# Altium PCB 606-100835-r03.pcbdoc (part 3 of 3)
Units mm, origin at the board's own origin, x right, y up, seen from the top; angles counter-clockwise.
Board outline 27 x 28.35 mm, 6 copper layers (Layer 1, Layer 2, Layer 3, Layer 4, Layer 5, Layer 6), stack 1.518 mm thick; 145 components, 197 nets, 755 pads, 438 vias.
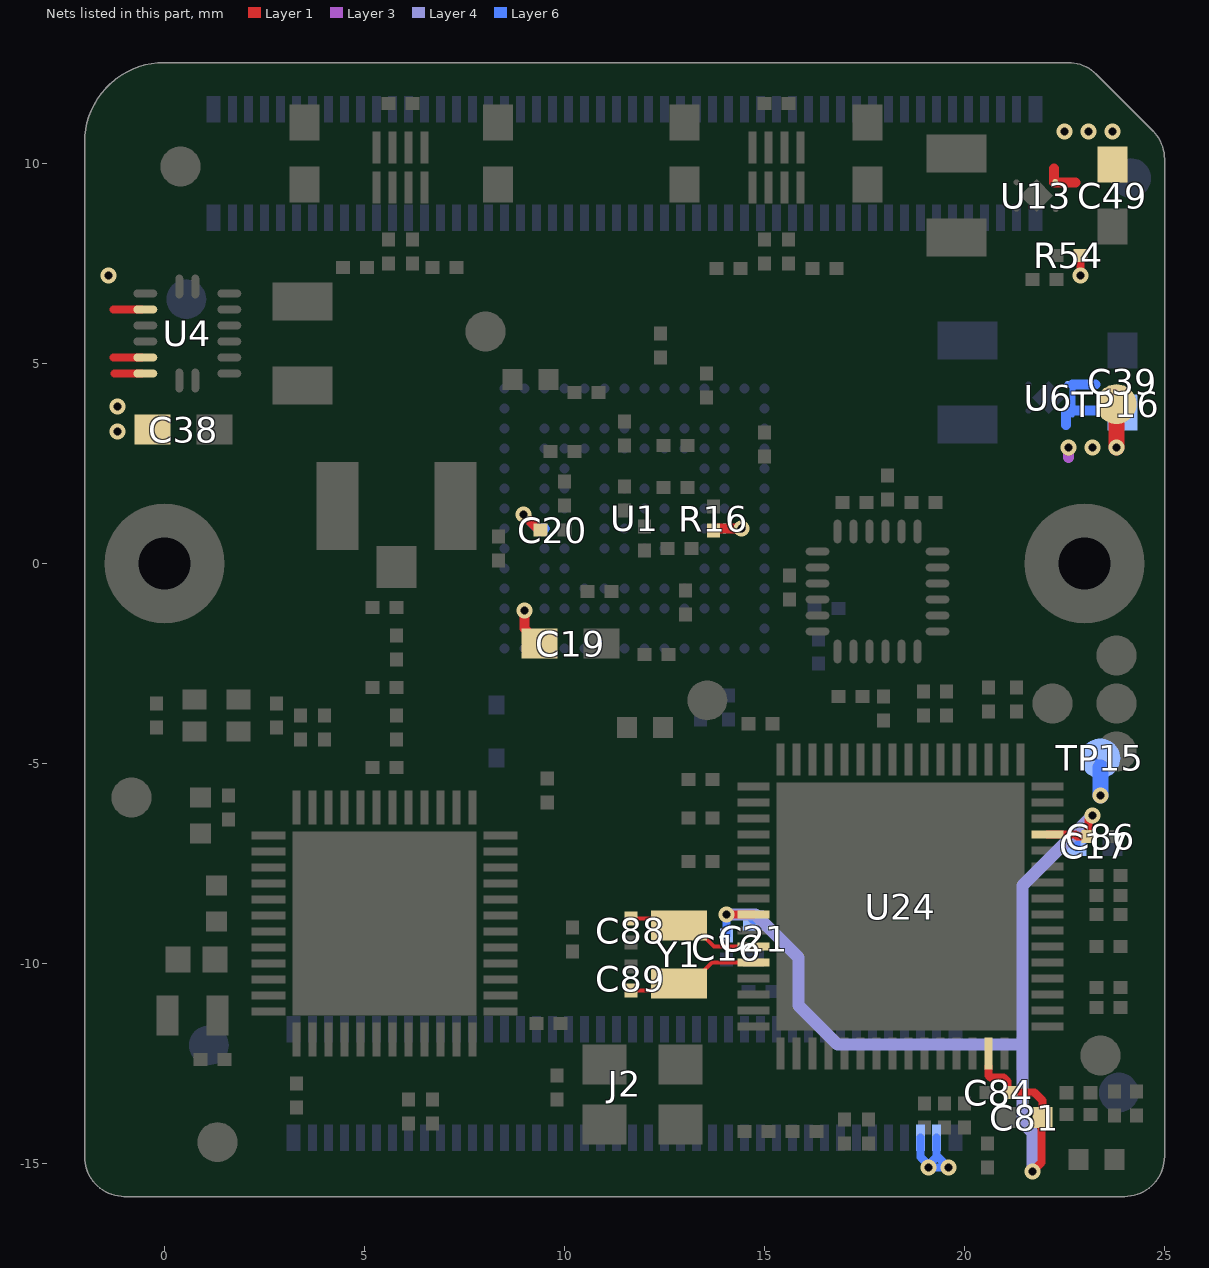
[diagram p7: the nets of this part, all layers, seen from the top]

## Via types
v1: diameter 0.4, hole 0.2, Layer 1 to Layer 6, tented both sides, 358 vias
v2: diameter 0.381, hole 0.279, Layer 4 to Layer 6, tented bottom, 80 vias

## Nets (pads, with @x,y where several pads share a name; then routed paths per layer and width w, separated by ;. In a path a pad name is that pad's centre, name@x,y a point inside that pad or via, vN(x,y) a via of type N, cw(c..) or ccw(c..) an arc to the next point about the centre after c; other vN are vias at no path point) (continued)
VCC_3V6: C38.1 C39.1 C49.1 J2.77 J2.79 R54.1 TP15.1 TP16.1 U4.10 U4.13 U4.14 U6.3 U6.4 U13.4 | length 11.7
  Layer 1 w0.1: TP16.1@23.799,3.985 TP16.1@23.8,3.984
  Layer 1 w0.2: -1.275,5.15 U4.13@-0.575,5.15 ; -1.275,6.35 U4.10@-0.575,6.35 ; -1.25,4.75 U4.14@-0.575,4.75 ; v1(22.9,7.2) R54.1@22.9,7.7
  Layer 1 w0.25: 22.235,9.875 22.235,9.525 22.775,9.525
  Layer 1 w0.4: v1(23.8,2.9) TP16.1@23.8,3.984
  Layer 3 w0.28: 22.6,2.65 v1(22.6,2.9)
  Layer 6 w0.1: U6.4@22.535,3.825 22.7,3.825 22.7,3.7 ; U6.3@22.535,4.475 22.7,4.475 ; TP15.1@23.238,-4.856 23.44,-5.058 TP15.1@23.4,-5.098
  Layer 6 w0.15: 22.7,3.825 22.7,4.475
  Layer 6 w0.2: J2.77@18.9,-14.355 18.9,-14.834 v1@19.1,-15.034 ; J2.79@19.3,-14.355 19.3,-14.8 ; v1@19.1,-15.034 19.3,-14.834 19.3,-14.8 ; v1@19.1,-15.034 v1(19.1,-15.1) v1(19.6,-15.1) 19.3,-14.8
  Layer 6 w0.25: 22.535,3.465 U6.4@22.535,3.825 ; 22.7,3.825 C39.1@23.975,3.825 ; 22.7,4.475 23.275,4.475
  Layer 6 w0.4: v1(23.4,-5.8) TP15.1@23.4,-5.098
  other v1: 23.2,2.9 -1.175,3.3 -1.175,3.925 -1.4,7.2 22.5,10.8 23.1,10.8 23.7,10.8
VCC_PLL: C19.1 C20.1 R16.2 U1.C8 U1.M8 | length 3.4
  Layer 1 w0.25: v1(8.975,1.225) 9.363,0.837 C20.1@9.4,0.837 ; v1(9,-1.175) 9,-1.625 C19.1@9.375,-2 ; R16.2@13.725,0.875 v1(14.425,0.875)
  Layer 6 w0.2: U1.M8@14,0.875 v1(14.425,0.875)
  Layer 6 w0.25: v1(8.975,1.225) 9.325,0.875 U1.C8@9.5,0.875
VDDOUT: C16.1 C17.2 C21.2 C81.1 C84.1 C86.1 U24.9 U24.30 U24.45 | length 27.5
  Layer 1 w0.2: v1(14.05,-8.775) U24.9@14.725,-8.775 ; U24.30@20.6,-12.575 20.6,-12.8 20.65,-12.85 20.975,-12.85 21.075,-12.95 21.075,-13.15 C84.1@21.15,-13.225 21.75,-13.225 21.95,-13.425 C81.1@21.95,-13.85 21.925,-13.875 21.925,-14.975 v1(21.7,-15.2) ; U24.45@22.075,-6.775 22.775,-6.775 22.825,-6.825 C86.1@23.1,-6.825 23.1,-6.4 v1(23.2,-6.3)
  Layer 4 w0.3: v1(14.05,-8.775) 14.775,-8.775 15.85,-9.85 15.85,-11.05 16.825,-12.025 21.45,-12.025 ; v1(21.7,-15.2) 21.7,-14.225 21.45,-13.975 21.45,-12.025 ; v1(23.2,-6.3) 21.45,-8.05 21.45,-12.025
  Layer 6 w0.2: C16.1@14.05,-9.3 v1(14.05,-8.775) 14.575,-8.775 C21.2@14.725,-8.925 ; C17.2@22.8,-7.1 C17.2@22.8,-7.05 22.8,-6.675 23.175,-6.3 v1(23.2,-6.3)
XIN: C88.1 U24.11 Y1.1 | length 3.4
  Layer 1 w0.1: C88.1@11.659,-8.875 12.684,-8.875 Y1.1@12.859,-9.05 13.209,-9.05 13.734,-9.575 U24.11@14.725,-9.575
XOUT: C89.1 U24.12 Y1.2 | length 3.4
  Layer 1 w0.1: C89.1@11.659,-10.675 12.684,-10.675 Y1.2@12.859,-10.5 13.159,-10.5 13.684,-9.975 U24.12@14.725,-9.975
pads on no net: U1.A13 U1.H3 U1.J11 U1.K11 U1.M12 U1.M14 U4.1 U4.4 U4.15 U4.16 U23.1 U23.2 U23.3 U23.4 U23.5 U23.6 U23.7 U23.14 U23.15 U23.16 U23.17 U23.19 U23.21 U25.10 U25.18 U25.19 U25.27 U25.28 U25.29 U25.37 U25.38 U25.39 U25.40 U25.41 U25.42 U25.43 U25.44

## Polygon pours and split planes (outlines as drawn)
no net on FAB_DWG (solid): 17.95,277.4 17.95,279 11.925,279 11.925,277.4
no net on FAB_DWG (solid): 18.048,286.528 17.548,288.028 -13.452,288.028 -13.952,286.528 18.048,286.528
no net on FAB_DWG (solid): -13.673,268.247 -13.173,266.747 17.827,266.747 18.327,268.247 -13.673,268.247
no net on FAB_DWG (solid): -13.811,303.588 -13.311,302.088 17.889,302.088 18.389,303.588 -13.811,303.588
no net on FAB_DWG (solid): -14.694,324.252 -14.194,325.752 18.324,325.752 18.824,324.252
no net on FAB_DWG (solid): -10.978,261.558 ccw(c-11.478,261.558) -11.478,262.058 ccw(c-11.478,261.558) -11.978,261.558 ccw(c-11.478,261.558) -11.478,261.058 ccw(c-11.478,261.558) -10.978,261.558
no net on FAB_DWG (solid): -11.171,331.178 ccw(c-11.671,331.178) -11.671,331.678 ccw(c-11.671,331.178) -12.171,331.178 ccw(c-11.671,331.178) -11.671,330.678 ccw(c-11.671,331.178) -11.171,331.178
no net on FAB_DWG (solid): -4.978,261.558 ccw(c-5.478,261.558) -5.478,262.058 ccw(c-5.478,261.558) -5.978,261.558 ccw(c-5.478,261.558) -5.478,261.058 ccw(c-5.478,261.558) -4.978,261.558
no net on FAB_DWG (solid): -2.978,261.558 ccw(c-3.478,261.558) -3.478,262.058 ccw(c-3.478,261.558) -3.978,261.558 ccw(c-3.478,261.558) -3.478,261.058 ccw(c-3.478,261.558) -2.978,261.558
no net on FAB_DWG (solid): -8.978,261.558 ccw(c-9.478,261.558) -9.478,262.058 ccw(c-9.478,261.558) -9.978,261.558 ccw(c-9.478,261.558) -9.478,261.058 ccw(c-9.478,261.558) -8.978,261.558
no net on FAB_DWG (solid): -6.978,261.558 ccw(c-7.478,261.558) -7.478,262.058 ccw(c-7.478,261.558) -7.978,261.558 ccw(c-7.478,261.558) -7.478,261.058 ccw(c-7.478,261.558) -6.978,261.558
no net on FAB_DWG (solid): -3.171,331.178 ccw(c-3.671,331.178) -3.671,331.678 ccw(c-3.671,331.178) -4.171,331.178 ccw(c-3.671,331.178) -3.671,330.678 ccw(c-3.671,331.178) -3.171,331.178
no net on FAB_DWG (solid): -5.171,331.178 ccw(c-5.671,331.178) -5.671,331.678 ccw(c-5.671,331.178) -6.171,331.178 ccw(c-5.671,331.178) -5.671,330.678 ccw(c-5.671,331.178) -5.171,331.178
no net on FAB_DWG (solid): -9.171,331.178 ccw(c-9.671,331.178) -9.671,331.678 ccw(c-9.671,331.178) -10.171,331.178 ccw(c-9.671,331.178) -9.671,330.678 ccw(c-9.671,331.178) -9.171,331.178
no net on FAB_DWG (solid): -7.171,331.178 ccw(c-7.671,331.178) -7.671,331.678 ccw(c-7.671,331.178) -8.171,331.178 ccw(c-7.671,331.178) -7.671,330.678 ccw(c-7.671,331.178) -7.171,331.178
no net on FAB_DWG (solid): 5.022,261.558 ccw(c4.522,261.558) 4.522,262.058 ccw(c4.522,261.558) 4.022,261.558 ccw(c4.522,261.558) 4.522,261.058 ccw(c4.522,261.558) 5.022,261.558
no net on FAB_DWG (solid): 3.022,261.558 ccw(c2.522,261.558) 2.522,262.058 ccw(c2.522,261.558) 2.022,261.558 ccw(c2.522,261.558) 2.522,261.058 ccw(c2.522,261.558) 3.022,261.558
no net on FAB_DWG (solid): -0.978,261.558 ccw(c-1.478,261.558) -1.478,262.058 ccw(c-1.478,261.558) -1.978,261.558 ccw(c-1.478,261.558) -1.478,261.058 ccw(c-1.478,261.558) -0.978,261.558
no net on FAB_DWG (solid): 1.022,261.558 ccw(c0.522,261.558) 0.522,262.058 ccw(c0.522,261.558) 0.022,261.558 ccw(c0.522,261.558) 0.522,261.058 ccw(c0.522,261.558) 1.022,261.558
no net on FAB_DWG (solid): 4.829,331.178 ccw(c4.329,331.178) 4.329,331.678 ccw(c4.329,331.178) 3.829,331.178 ccw(c4.329,331.178) 4.329,330.678 ccw(c4.329,331.178) 4.829,331.178
no net on FAB_DWG (solid): 2.829,331.178 ccw(c2.329,331.178) 2.329,331.678 ccw(c2.329,331.178) 1.829,331.178 ccw(c2.329,331.178) 2.329,330.678 ccw(c2.329,331.178) 2.829,331.178
no net on FAB_DWG (solid): -1.171,331.178 ccw(c-1.671,331.178) -1.671,331.678 ccw(c-1.671,331.178) -2.171,331.178 ccw(c-1.671,331.178) -1.671,330.678 ccw(c-1.671,331.178) -1.171,331.178
no net on FAB_DWG (solid): 0.829,331.178 ccw(c0.329,331.178) 0.329,331.678 ccw(c0.329,331.178) -0.171,331.178 ccw(c0.329,331.178) 0.329,330.678 ccw(c0.329,331.178) 0.829,331.178
no net on FAB_DWG (solid): 11.022,261.558 ccw(c10.522,261.558) 10.522,262.058 ccw(c10.522,261.558) 10.022,261.558 ccw(c10.522,261.558) 10.522,261.058 ccw(c10.522,261.558) 11.022,261.558
no net on FAB_DWG (solid): 9.022,261.558 ccw(c8.522,261.558) 8.522,262.058 ccw(c8.522,261.558) 8.022,261.558 ccw(c8.522,261.558) 8.522,261.058 ccw(c8.522,261.558) 9.022,261.558
no net on FAB_DWG (solid): 13.022,261.558 ccw(c12.522,261.558) 12.522,262.058 ccw(c12.522,261.558) 12.022,261.558 ccw(c12.522,261.558) 12.522,261.058 ccw(c12.522,261.558) 13.022,261.558
no net on FAB_DWG (solid): 7.022,261.558 ccw(c6.522,261.558) 6.522,262.058 ccw(c6.522,261.558) 6.022,261.558 ccw(c6.522,261.558) 6.522,261.058 ccw(c6.522,261.558) 7.022,261.558
no net on FAB_DWG (solid): 10.829,331.178 ccw(c10.329,331.178) 10.329,331.678 ccw(c10.329,331.178) 9.829,331.178 ccw(c10.329,331.178) 10.329,330.678 ccw(c10.329,331.178) 10.829,331.178
no net on FAB_DWG (solid): 8.829,331.178 ccw(c8.329,331.178) 8.329,331.678 ccw(c8.329,331.178) 7.829,331.178 ccw(c8.329,331.178) 8.329,330.678 ccw(c8.329,331.178) 8.829,331.178
no net on FAB_DWG (solid): 12.829,331.178 ccw(c12.329,331.178) 12.329,331.678 ccw(c12.329,331.178) 11.829,331.178 ccw(c12.329,331.178) 12.329,330.678 ccw(c12.329,331.178) 12.829,331.178
no net on FAB_DWG (solid): 6.829,331.178 ccw(c6.329,331.178) 6.329,331.678 ccw(c6.329,331.178) 5.829,331.178 ccw(c6.329,331.178) 6.329,330.678 ccw(c6.329,331.178) 6.829,331.178
no net on FAB_DWG (solid): 17.022,261.558 ccw(c16.522,261.558) 16.522,262.058 ccw(c16.522,261.558) 16.022,261.558 ccw(c16.522,261.558) 16.522,261.058 ccw(c16.522,261.558) 17.022,261.558
no net on FAB_DWG (solid): 15.022,261.558 ccw(c14.522,261.558) 14.522,262.058 ccw(c14.522,261.558) 14.022,261.558 ccw(c14.522,261.558) 14.522,261.058 ccw(c14.522,261.558) 15.022,261.558
no net on FAB_DWG (solid): 16.829,331.178 ccw(c16.329,331.178) 16.329,331.678 ccw(c16.329,331.178) 15.829,331.178 ccw(c16.329,331.178) 16.329,330.678 ccw(c16.329,331.178) 16.829,331.178
no net on FAB_DWG (solid): 14.829,331.178 ccw(c14.329,331.178) 14.329,331.678 ccw(c14.329,331.178) 13.829,331.178 ccw(c14.329,331.178) 14.329,330.678 ccw(c14.329,331.178) 14.829,331.178
no net on FAB_DWG (solid): 18.361,310.587 17.861,312.087 -13.339,312.087 -13.839,310.587 18.361,310.587
no net on FAB_DWG (solid): 1029 vertices, not listed, extent 369.396,-60.519 510.442,-46.945
no net on FAB_DWG (solid): 89 vertices, not listed, extent 409.616,-50.711 416.035,-46.947
no net on FAB_DWG (solid): 74 vertices, not listed, extent 421.286,-53.682 428.678,-46.947
no net on FAB_DWG (solid): 83 vertices, not listed, extent 435.068,-52.447 439.973,-47.859
no net on FAB_DWG (solid): 82 vertices, not listed, extent 446.68,-51.092 453.025,-47.864
no net on FAB_DWG (solid, pour order 2): 7.95,277.4 7.95,279 -14,279 -14,277.4
no net on ASY_DWG (solid): 1029 vertices, not listed, extent 369.396,-60.519 510.442,-46.945
no net on ASY_DWG (solid): 89 vertices, not listed, extent 409.616,-50.711 416.035,-46.947
no net on ASY_DWG (solid): 74 vertices, not listed, extent 421.286,-53.682 428.678,-46.947
no net on ASY_DWG (solid): 83 vertices, not listed, extent 435.068,-52.447 439.973,-47.859
no net on ASY_DWG (solid): 82 vertices, not listed, extent 446.68,-51.092 453.025,-47.864
no net on ASY_DWG_R (solid): 1029 vertices, not listed, extent -260.544,-60.477 -119.498,-46.903
no net on ASY_DWG_R (solid): 89 vertices, not listed, extent -166.137,-50.669 -159.717,-46.905
no net on ASY_DWG_R (solid): 74 vertices, not listed, extent -178.78,-53.64 -171.387,-46.905
no net on ASY_DWG_R (solid): 83 vertices, not listed, extent -190.074,-52.405 -185.169,-47.817
no net on ASY_DWG_R (solid): 82 vertices, not listed, extent -203.127,-51.05 -196.782,-47.822
no net on TITLEBLOCK (solid): 331 vertices, not listed, extent -11.699,-33.273 47.006,-26.653
no net on TITLEBLOCK (solid): 10.238,-26.873 12.776,-29.191 12.776,-26.873 10.238,-26.873
no net on TITLEBLOCK (solid): 5.051,-26.873 6.174,-28.082 7.253,-26.873 5.051,-26.873
no net on TITLEBLOCK (solid): 15.536,-28.773 16.526,-26.973 17.426,-28.773 15.536,-28.773
no net on TITLEBLOCK (solid): 26 vertices, not listed, extent 20.376,-28.173 23.076,-26.873
GND on Layer 5 "GND" (solid, remove dead copper, pour order 2): -2.876,13.977 -2.876,-16.773 26.174,-16.773 26.174,11.527 23.724,13.977
GND on Layer 1 "GND_L01_P086" (solid, remove dead copper, pour order 86): 24.7,7.3 24.7,8.725 24.525,8.9 23.175,8.9 23,8.725 23,7.35 23.25,7.1 24.5,7.1
GND on Layer 1 "GND_L01_P080" (solid, remove dead copper, pour order 80): 18.6,10 18.4,10.2 17.3,10.2 17.1,10 17.1,9.1 17.1,8.4 16.675,7.975 16.675,7.1 18.265,7.1 18.6,7.435
VCC_3V3_SENSORS on Layer 1 "VCC_3V3_SENSORS_L01_P076" (solid, remove dead copper, pour order 76): 15.705,9.7 15.805,9.8 17,9.8 17,8.7 16.95,8.65 15.855,8.65 15.705,8.8
SENSOR_VCC4 on Layer 1 "SENSOR_VCC4_L01_P074" (solid, remove dead copper, pour order 74): 15.714,10.8 15.714,12.2 15.799,12.285 20.215,12.285 20.3,12.2 20.3,11.4 19.5,10.6 18,10.6 16.825,10.6 16.6,10.6 16.4,10.4 16.4,10.1 15.714,10.1
VCC_3V3_SENSORS on Layer 1 "VCC_3V3_SENSORS_L01_P072" (solid, remove dead copper, pour order 72): 13.557,9.657 13.7,9.8 15,9.8 15,8.8 14.85,8.65 13.75,8.65 13.557,8.843
GND on Layer 1 "GND_L01_P070" (solid, remove dead copper, pour order 70): 13.15,8.575 11.725,8.575 11.384,8.916 11.384,10.025 11.484,10.125 13.392,10.125 13.392,8.817
VCC_3V3_SENSORS on Layer 1 "VCC_3V3_SENSORS_L01_P066" (solid, remove dead copper, pour order 66): 6.305,9.7 6.405,9.8 7.6,9.8 7.7,9.7 7.7,8.8 7.6,8.7 6.405,8.7 6.305,8.8
GND on Layer 1 "GND_L01_P064" (solid, remove dead copper, pour order 64): 9.693,8.575 7.992,8.575 7.792,8.775 7.792,10 7.892,10.1 9.8,10.1 9.9,10 9.9,8.782
GND on Layer 1 "GND_L01_P060" (solid, remove dead copper, pour order 60): 2.606,10.321 3.206,10.321 3.731,10.321 4.131,9.921 4.131,9.146 3.631,8.646 2.681,8.646 2.506,8.821 2.506,10.221
GND on Layer 1 "GND_L01_P008" (solid, pour order 8): 7.75,-4.225 7.325,-4.6 7.325,-5.575 5.4,-5.575 5.4,-4.775 4.4,-4.775 4.4,-3.975 3.175,-3.975 3.175,2.55 7.7,2.55
VCC_3V6 on Layer 1 "u4_3v6_notherm" (solid, remove dead copper, pour order 14): -1.75,7.6 -1.75,3.05 -1.425,2.725 0.075,2.725 0.175,2.825 0.175,4.05 -0.025,4.25 -1,4.25 -1,7.6
GND on Layer 1 "u4_gnd_notherm" (solid, remove dead copper, pour order 16): 0.9,2.75 2.975,2.75 4.2,3.975 4.2,5.25 2.087,5.25 1.4,5.25 1.4,5.05 2.087,5.05 2.087,4.362 1.975,4.25 0.975,4.25 0.775,4.05 0.775,2.875
VCC_1V2 on Layer 1 "u4_1v2_notherm" (solid, remove dead copper, pour order 18): 19 vertices, not listed, extent 0.3,5.8 4.2,8.15
VCC_3V6 on Layer 1 "u13_3v6" (solid, remove dead copper, pour order 20): 22.1,9.8 22.725,9.8 22.725,9.2 24.425,9.2 24.525,9.3 24.525,10.6 24.025,11.1 22.425,11.1 22.1,10.775
VCC_3V3_SENSORS on Layer 1 "u13_3v6" (solid, remove dead copper, pour order 22): 21,9.4 21,9.8 21.775,9.8 21.775,10.951 21.579,11.146 18.975,11.146 18.7,10.871 18.7,9.5 18.8,9.4
GND on Layer 1 "u13_gnd" (solid, remove dead copper, pour order 24): 21.8,8.6 21.1,8.6 21,8.6 21,9.1 18.9,9.1 18.8,9 18.8,7 18.85,6.95 21.75,6.95 21.845,7.045 21.845,7.535 21.875,7.535 21.875,8.525
VCC_3V3_SENSORS on Layer 1 "VCC_3V3_SENSORS_L01_P042" (solid, remove dead copper, pour order 42): 4.157,9.657 4.3,9.8 5.6,9.8 5.6,8.8 5.5,8.7 4.3,8.7 4.157,8.843
SENSOR_VCC3 on Layer 1 "SENSOR_VCC3_L01_P052" (solid, remove dead copper, pour order 52): 14.6,12.3 14.795,12.105 14.795,10 14,10 13.7,10.2 13.7,10.7 11.3,10.7 11.2,10.8 11.2,12.2 11.3,12.3
SENSOR_VCC2 on Layer 1 "SENSOR_VCC2_L01_P056" (solid, remove dead copper, pour order 56): 6.3,12.086 6.499,12.285 10.19,12.285 10.385,12.09 10.385,10.785 10.2,10.6 8.7,10.6 7.525,10.6 7.3,10.6 7.1,10.4 7.1,10 6.3,10
SENSOR_VCC1 on Layer 1 "SENSOR_VCC1_L01_P058" (solid, remove dead copper, pour order 58): 1.65,10.775 1.65,12.1 1.835,12.285 2.185,12.285 5.415,12.285 5.5,12.2 5.5,10.1 4.9,10.1 4.4,10.6 1.825,10.6
GND on Layer 1 "GND_L01_P128" (solid, pour order 128): 24 vertices, not listed, extent 8.675,-3.15 15.4,5.975
GND on Layer 6 "GND1" (solid, remove dead copper, pour order 10): 19,4.3 19,6.7 19.1,6.8 24.3,6.8 24.4,6.7 24.425,4.8 21.3,4.8 21.3,4.3
VCC_3V3_CORE on Layer 6 "VCC3-6" (solid, remove dead copper, pour order 32): 19,4 21.3,4 21.3,3.6 22,3.6 22,2.5 21.9,2.4 19,2.4
VCC_3V6 on Layer 6 "VCC3-6" (solid, remove dead copper, pour order 12): 24.475,4.6 24.475,2.8 24.3,2.625 22.3,2.624 22.3,3.5 22.9,3.5 22.9,4.7 24.375,4.7
VCC_3V3_SENSORS on Layer 3 "Bottom Overlay-No Net" (solid, pour order 126): 21.925,8.75 21.925,13.025 -2.5,13.025 -2.5,8.75 21.375,8.75
VCC_3V6 on Layer 3 "3V6_Polygon" (solid, pour order 94): 20.95,6.2 22.05,6.2 22.05,13.025 23.2,13.025 25.5,10.725 25.5,-16.325 16.675,-16.325 16.675,-12.65 20.95,-12.65
GND on Layer 3 "thievingL2" (solid, pour order 122): -0.75,2.25 -2.525,2.25 -2.525,-16.3 22.1,-16.3 22.1,2.275 22.1,8.85 -0.75,8.85
VCC_PLL on Layer 3 "VCC_PLL_L03_P088" (solid, remove dead copper, pour order 88): 8.5,1.6 9.3,1.6 10,0.9 10,0 10.6,-0.6 13.2,-0.6 13.4,-0.4 13.4,0.8 13.8,1.2 14.4,1.2 15.125,1.2 15.125,-1.475 8.5,-1.475
VCC_1V2 on Layer 3 "VCC_1V2_L03_P090" (solid, remove dead copper, pour order 90): 24 vertices, not listed, extent -0.85,-0.5 15.9,8.8
VCC_3V6 on Layer 3 "3V6_BUCK_INPUT" (solid, pour order 130): -2.5,8.75 -0.65,8.75 -0.65,2.25 -2.5,2.25
GND on Layer 3 "GND_CORNER" (solid, pour order 92): 25.525,-13.925 22.75,-13.925 22.525,-13.925 22.525,-16.325 25.525,-16.325 25.5,-16.3 25.5,-13.925
GND on Layer 4 "thievingL5" (solid, pour order 124): -2.5,13.025 -2.5,-16.325 25.525,-16.325 25.525,10.7 23.2,13.025
VCC_3V6 on Layer 2 (split plane): 47 vertices, not listed, extent -1.498,2.404 24.499,12.023
GND on Layer 2 (split plane): 18 vertices, not listed, extent -1.498,-5.171 4.371,7.746
VCC_3V3_SENSORS on Layer 2 (split plane): 24 vertices, not listed, extent -1.499,9.129 21.821,12.024
VCC_3V3_CORE on Layer 2 (split plane): 61 vertices, not listed, extent -1.499,-15.324 24.499,7.746

## Keep-outs
Layer 6:
  circle w0.254: c23,0 r2.305
  circle w0.254: c0,0 r2.305

## Other copper
Layer 1:
  text ".Layer_Name" at 19.375,-51.6 h2.54
Layer 3:
  text ".Layer_Name" at 18,-51.35 h2.54
Layer 5:
  text ".Layer_Name" at 18,-51.4 h2.54
Layer 4:
  text ".Layer_Name" at 18.2,-51.7 h2.54
Layer 6:
  text "'.Board_Number'-R'.PCB_Revision'" at -0.9,-14.725 h0.7 r270
  text ".Layer_Name" at 17.75,-51.6 h2.54
Layer 2 (plane layer: these items are gaps in the copper):
  lines w0.254: -2.025,2.275 -1.15,2.275 ; -2,-3.3 -2,-5.3 3.7,-5.3 4.5,-4.5 4.5,7.85 ; -1.8,8.7 -1.5,9 21.95,9 21.95,12.25 22.25,12.55 22.35,12.55 ; -1.225,2.275 -1.125,2.275 -0.8,2.6 -0.8,7.3 -0.225,7.875 16.725,7.875 18.1,6.5 21.4,6.5 22.1,6.5 22.1,2.3 24.8,2.3 ; 9.45,-16.1 10.4,-16.1
  lines w1: 24,-15.825 ccw(c24,-14.825) 25,-14.825 ; 24,-15.825 24,-15.825 ; 24,-15.825 -1.025,-15.825 -1,-15.825 cw(c-1,-14.825) -2,-14.825 -2,10.5 -2,10.525 cw(c0,10.525) 0,12.525 22.611,12.525 22.586,12.525 cw(c22.586,11.525) 23.293,12.232 24.707,10.818 cw(c24,10.111) 25,10.111 25,-14.825 ; 25,-14.825 25,-14.825
  text ".Layer_Name" at 18.1,-51.55 h2.54

## Silkscreen, mask and mechanical layers (free items; w line width, h text height)
Top Overlay:
  lines w0.15: -1.075,-12.175 -1.075,-9.9 -0.4,-9.9 ; -1.075,-11.3 -0.6,-11.3 ; 11.6,-11.4 12.9,-11.4 12.9,-11.1 ; 17.5,2.4 17.5,3.2 17.5,6.5 18.4,6.5 22.79,6.5 22.79,1.8 19.7,1.8 ; 20.8,1.8 20.8,-2.4 21.6,-2.4 ; 21.6,-2.7 21.6,-1.8 23.2,-1.8 ; 23.05,-5.7 24.225,-5.7 24.35,-5.7 24.425,-5.7 24.425,-5.2
  lines w0.254: 5.268,-4.382 cw(c5.25,-4.4) 5.275,-4.4 ; 5.268,-2.382 cw(c5.25,-2.4) 5.275,-2.4
  lines w1.2: 11.375,9.9 11.375,11.1
  text "REV" at 11.9,6.35 h1.02 r90
  text "100835" at 10.425,6.325 h1.02 r90
  text ".Layer_Name" at 14,-51.6 h2.54
Bottom Overlay:
  text ".Layer_Name" at 9.925,-51.6 h2.54
Top Paste:
  text ".Layer_Name" at 15.05,-51.6 h2.54
Bottom Paste:
  text ".Layer_Name" at 13.025,-51.6 h2.54
Top Solder:
  text ".Layer_Name" at 15.175,-51.6 h2.54
Bottom Solder:
  text ".Layer_Name" at 11.85,-51.6 h2.54
OUTLINE:
  lines w0.15: -2,10.5 -2,-14.825 ccw(c-1,-14.825) -1,-15.825 ; -2,10.525 cw(c0,10.525) 0,12.525 ; -1.025,-15.825 24,-15.825 ccw(c24,-14.825) 25,-14.825 25,10.1 ; 0.025,12.525 22.611,12.525 ; 22.586,12.525 cw(c22.586,11.525) 23.293,12.232 24.707,10.818 cw(c24,10.111) 25,10.111
FAB_DWG:
  drawing of 395 lines, arcs and shapes, not listed
  text "1" at 453.278,397.469 h7.62
  text "6" at -98.054,397.291 h7.62
  text "5" at 12.538,397.215 h7.62
  text "7" at -207.985,397.164 h7.62
  text "4" at 122.139,397.063 h7.62
  text "3" at 232.908,397.063 h7.62
  text "2" at 342.941,397.063 h7.62
  text "REVISIONS" at 407.298,388.481 h2.54
  text "REV" at 325.006,381.481 h2.03
  text "DESCRIPTION" at 379.51,381.481 h2.03
  text "DATE" at 471.194,381.481 h2.03
  text "APRVD" at 496.382,381.481 h2.03
  text "NOTES: UNLESS OTHERWISE SPECIFIED" at -247.908,376.845 h2.03
  text "INITIAL RELEASE" at 336.442,373.481 h2.54
  text "06/03/16" at 465.282,373.481 h2.54
  text "01" at 325,373 h2.54
  text "1   DIMENSIONS AND VALUES ARE METRIC." at -247.908,368.845 h2.03
  text "INITIAL BUILD" at 336.442,366.506 h2.54
  text "06/06/16" at 465.282,366.506 h2.54
  text "02" at 325,366 h2.54
  text "2   FABRICATION OF PRINTED CIRCUIT BOARD SHALL BE IN ACCORDANCE WITH" at -247.908,362.845 h2.03
  text "03" at 325,360 h2.54
  text "ANTENNA TUNING, POWER TEST POINTS." at 336,360 h2.54
  text "07/13/16" at 465,360 h2.54
  text "IPC-6011 AND IPC-6012, CLASS 2, AND THE DESIGN INTENT OF IPC-2221 AND" at -247.908,358.845 h2.03
  text "IPC-2222,CLASS 2, AND SHALL MEET THE ACCEPTABILITY REQUIREMENTS OF" at -247.908,354.845 h2.03
  text "IPC-A-600. PRODUCE PCB USING GERBER OR ODB++ FILES PROVIDED." at -247.908,350.845 h2.03
  text "3   FABRICATION VENDOR MUST BE UL APPROVED AND BOARD SHALL BE MARKED WITH" at -247.908,344.845 h2.03
  text "PRIMARY SIDE" at -7.675,341.35 h2.29
  text "A UL REGISTERED LOGO. MATERIAL MUST MEET UL 94V-0 FLAMMABILITY RATING." at -247.908,340.845 h2.03
  text "SILKSCREEN" at 24.564,336.241 h2.29
  text "4   MATERIAL REQUIREMENTS: MANUFACTURER SHALL SELECT MATERIALS TO ACHIEVE A" at -247.908,334.845 h2.03
  text "BALANCED CONSTRUCTION WITH THE OPTION OF MODIFYING DIELECTRIC THICKNESS" at -247.908,330.845 h2.03
  text "SOLDERMASK" at 24.564,330.741 h2.29
  text "D" at 515.127,327.797 h7.62
  text "D" at -269.555,327.645 h7.62
  text "TO MEET THE REQUIREMENTS SPECIFIED HEREIN." at -247.908,326.845 h2.03
  text "LAYER 1 (SIGNAL)" at 24.564,323.741 h2.29
  text "1/4 OZ CU" at -39.525,323.675 h2.29
  text "5  BASE MATERIALS: GLASS EPOXY FR4 OR EQUIVALENT PER IPC-4101 MEETING RoHS" at -247.908,320.845 h2.03
  text "DIELECTRIC" at -38.45,317.9 h2.29
  text "REQUIREMENTS FOR PCB FABRICATION AND ASSEMBLY, NOT LESS THAN TG150," at -247.908,316.845 h2.03
  text "A  SEE LAYER DETAIL FOR LAYER STACK UP, ESTIMATED DIELECTRIC THICKNESS," at -247.908,312.845 h2.03
  text "1/2 OZ CU" at -39.3,310.325 h2.29